# Altium PCB WL_RFFC.PcbDoc (part 1 of 3) (continued)
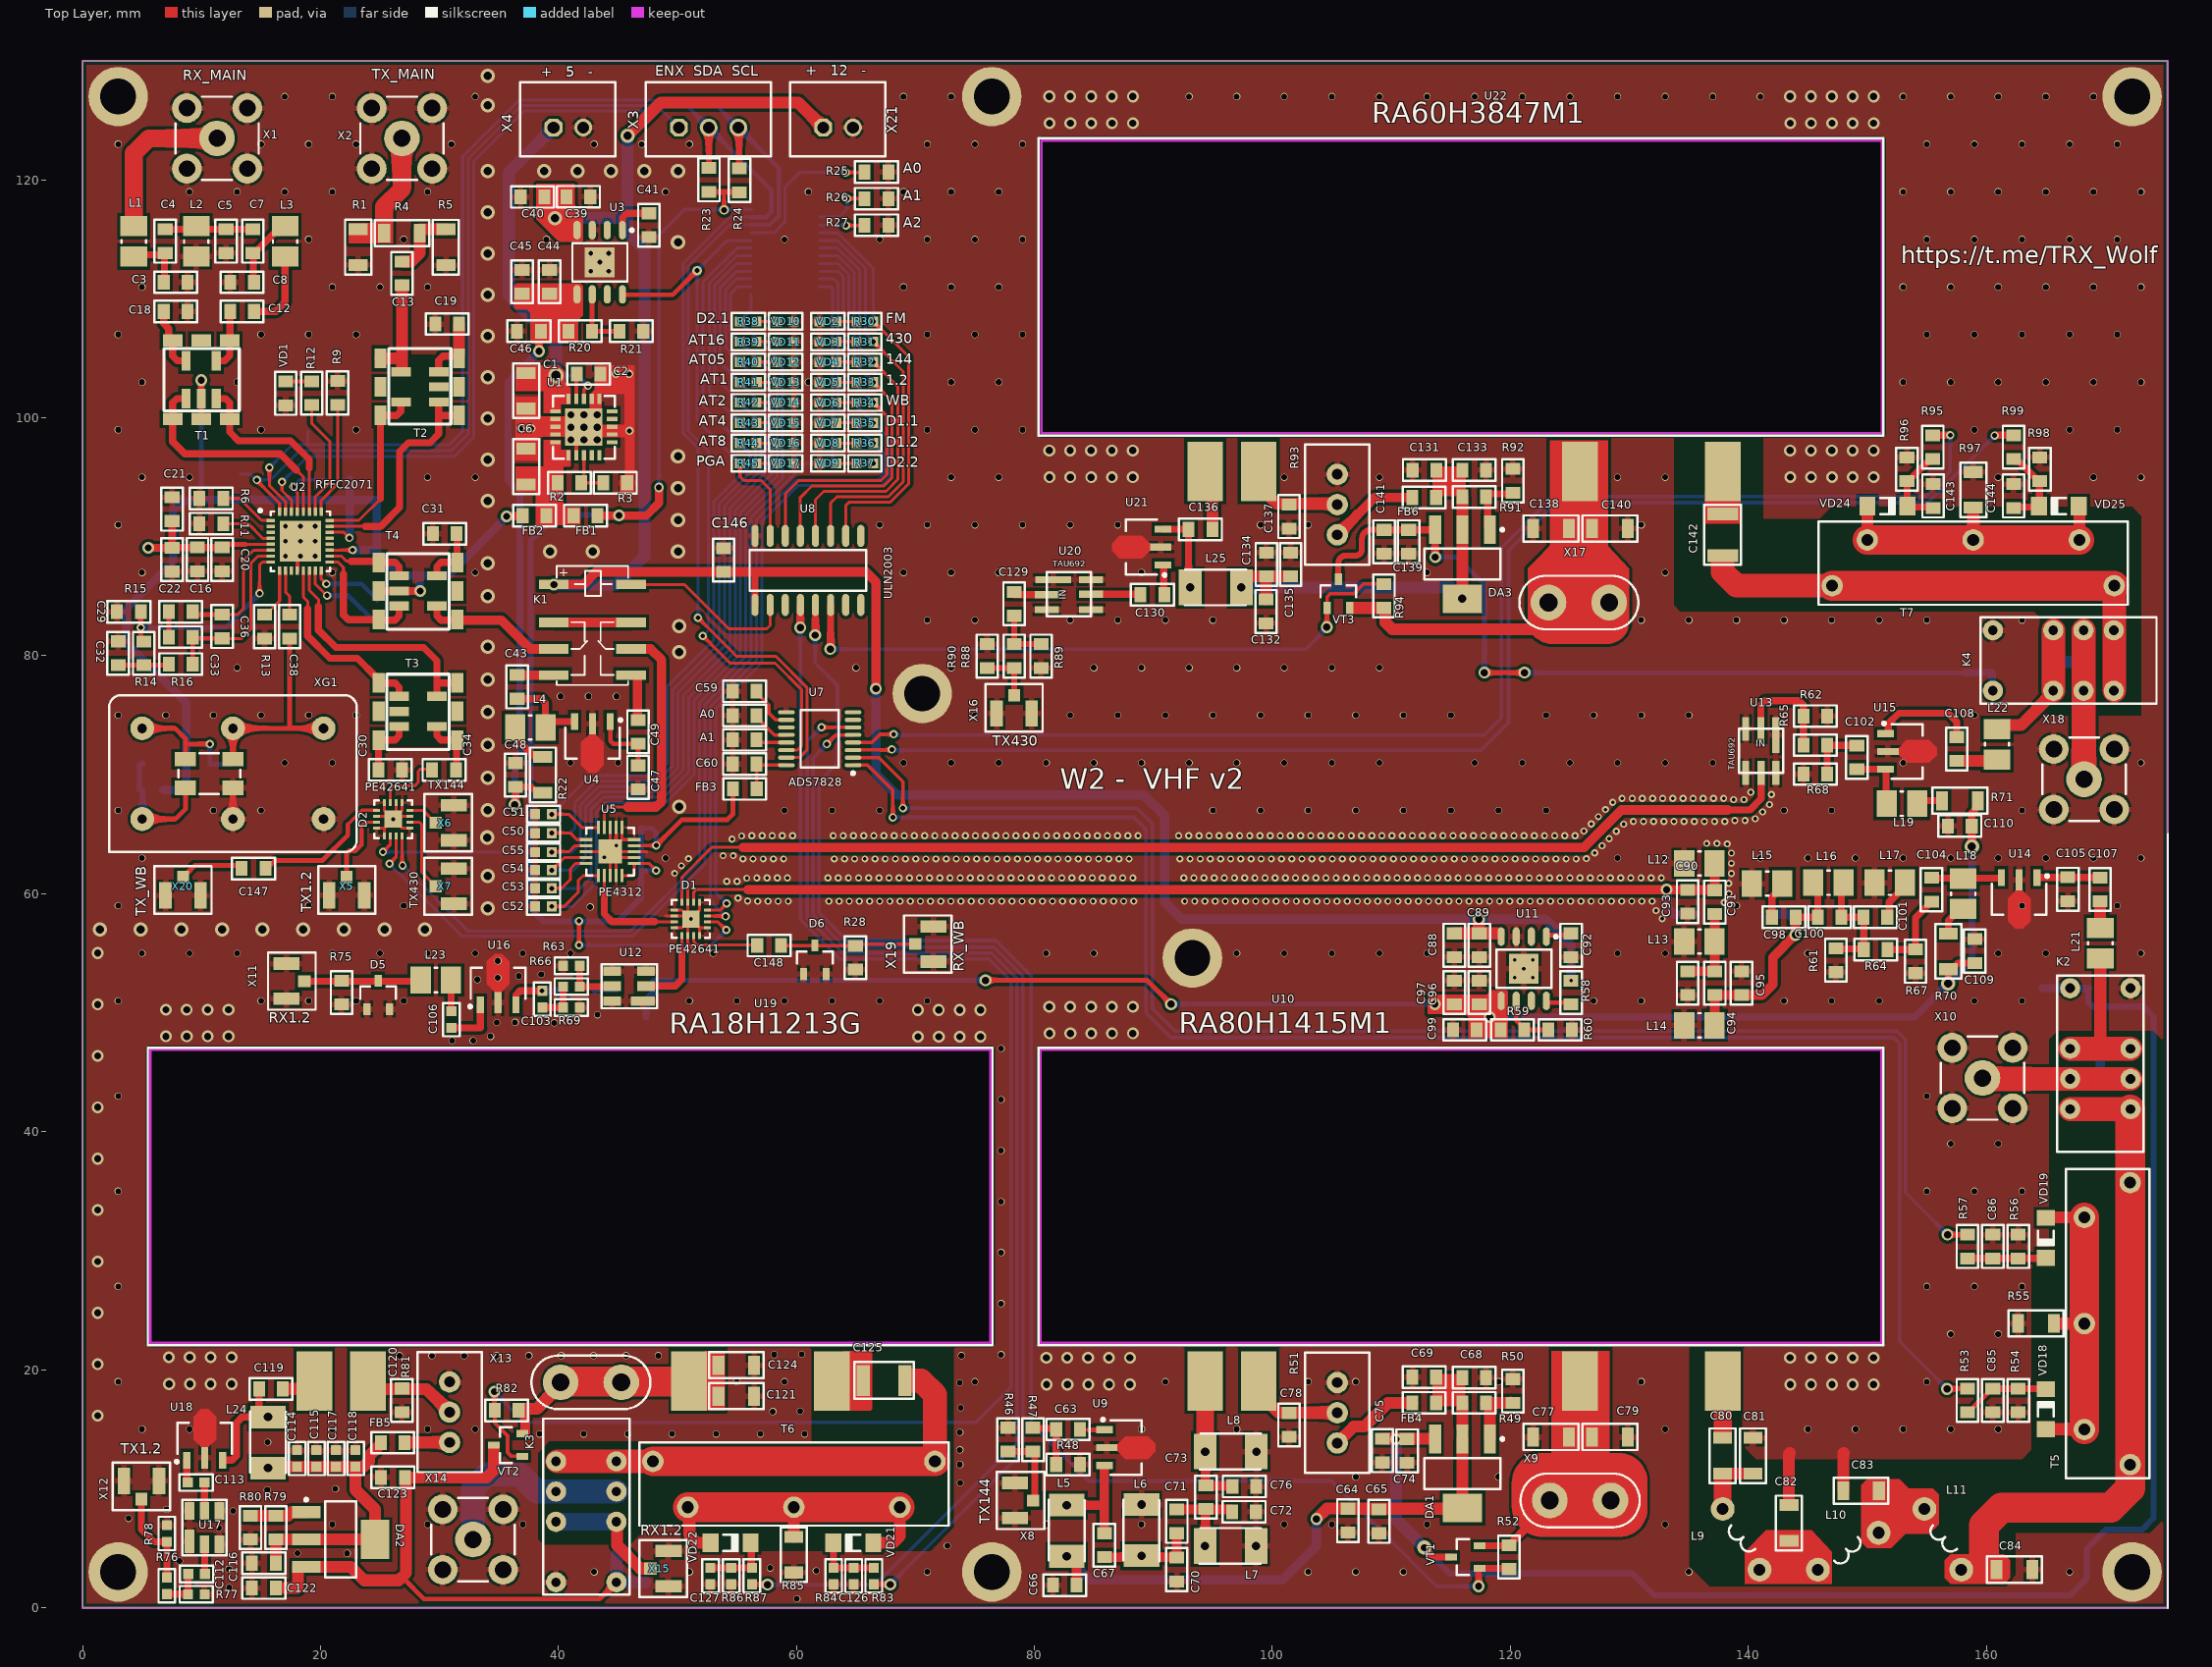
[diagram p0: Top Layer view]
## Components (designator, comment, footprint, x,y, rotation, side; value= is the part's Value field where it differs from the comment) (continued)
C72 "82p" CH0805C 97.623,8.057 r180 top
C73 "20pF" CH0805C 94.415,9.285 r90 top
C74 "1mF" CH0805C 111.317,13.18 r90 top
C75 "0.1" CH0805C 109.239,13.193 r90 top
C76 "82p" CH0805C 97.637,10.191 r180 top
C77 "100n" CH1206C 123.411,14.35 r0 top
C78 "4.7n" CH0805C 101.394,15.359 r90 top
C79 "10mF" CH1206C 128.358,14.35 r180 top
C80 "470p" CH1206C 137.836,12.766 r90 top
C81 "30p" CH1206C 140.391,12.766 r270 top
C82 "36p" CH1206C 143.412,7.114 r270 top
C83 "47p" CH1206C 149.47,9.824 r0 top
C84 "22p" CH1206C 162.364,3.202 r180 top
C85 "100n" CH0805C 160.548,17.412 r90 top
C86 "100n" CH0805C 160.548,30.353 r90 top
C87 "100n" CH0805C 169.582,52.04 r0 bottom
C88 "100n" CH0805C 115.286,55.672 r90 top
C89 "4.7uF" CH0805C 117.387,55.672 r90 top
C90 "82p" CH0805C 134.897,59.331 r90 top
C91 "20p" CH0805C 137.179,59.302 r90 top
C92 "10n" CH0805C 125.098,55.672 r90 top
C93 "82p" CH0805C 134.897,52.486 r90 top
C94 "20p" CH0805C 137.179,52.486 r90 top
C95 "82p" CH0805C 139.431,52.486 r270 top
C96 "10uF" CH0805C 115.286,51.701 r270 top
C97 "100n" CH0805C 117.387,51.701 r270 top
C98 "15p" CH0805C 142.984,58.035 r0 top
C99 "100p" CH0805C 116.176,48.565 r0 top
C100 "110p" CH0805C 146.824,58.035 r0 top
C101 "15p" CH0805C 150.675,58.035 r180 top
C102 "27p" CH0805C 149.121,71.464 r270 top
C103 "15p" CH0603C 38.647,51.148 r90 top
C104 "68p" CH0805C 155.397,60.342 r90 top
C105 "3p" CH0805C 166.847,60.379 r90 top
C106 "15p" CH0603C 30.994,49.427 r90 top
C107 "68p" CH0805C 169.556,60.367 r270 top
C108 "27p" CH0805C 157.513,72.172 r270 top
C109 "4.7n" CH0805C 159.024,55.186 r270 top
C110 "4.7n" CH0805C 157.774,65.694 r0 top
C111 "4.7n" CH0805C 46.367,49.65 r0 bottom
C112 "100p" CH0603C 9.582,2.821 r180 top
C113 "100p" CH0603C 9.556,10.524 r0 top
C114 "1mF" CH0603C 18.029,12.544 r270 top
C115 "100p" CH0603C 19.667,12.544 r90 top
C116 "0.1" CH0805C 15.241,3.739 r0 top
C117 "1n" CH0603C 21.304,12.544 r90 top
C118 "2.2uF" CH0603C 22.941,12.544 r90 top
C119 "100p" CH0805C 15.835,18.382 r180 top
C120 "4.7n" CH0805C 26.844,17.426 r90 top
C121 "100n" CH1206C 54.947,17.779 r180 top
C122 "1mF" CH0805C 15.241,1.646 r0 top
C123 "0.1" CH0805C 26.089,10.951 r0 top
C124 "10mF" CH1206C 54.947,20.378 r180 top
C125 "100p" CH1210C 67.361,19.093 r180 top
C126 "100n" CH0603C 64.812,2.654 r90 top
C127 "100n" CH0603C 52.771,2.654 r270 top
C128 "100n" CH0805C 47.304,3.127 r90 bottom
C129 "100p" CH0805C 78.296,84.362 r270 top
C130 "100p" CH0805C 89.915,85.137 r180 top
C131 "1mF" CH0805C 112.779,95.607 r0 top
C132 "100p" CH0805C 99.47,83.729 r270 top
C133 "0.1" CH0805C 116.963,95.607 r180 top
C134 "1n" CH0805C 99.497,87.674 r90 top
C135 "2.2uF" CH0805C 101.53,87.674 r90 top
C136 "220p" CH0805C 93.954,90.626 r180 top
C137 "4.7n" CH0805C 101.394,91.7 r90 top
C138 "100n" CH1206C 123.411,90.7 r0 top
C139 "1mF" CH0805C 111.454,89.586 r90 top
C140 "10mF" CH1206C 128.358,90.7 r180 top
C141 "0.1" CH0805C 109.392,89.586 r90 top
C142 "470p" CH1210C 137.835,90.168 r90 top
C143 "100n" CH0805C 155.526,93.431 r270 top
C144 "100n" CH0805C 162.289,93.431 r90 top
C145 "100n" CH0805C 160.476,79.562 r90 bottom
C146 "100n" CH0805C 53.875,88.05 r270 top
C147 "100p" CH0805C 14.375,62.125 r180 top
C148 "100p" CH0805C 57.7,55.65 r0 top
D1 "PE42641" "16-QFN (3x3)" 51.121,57.883 r180 top
D2 "PE42641" "16-QFN (3x3)" 26.111,66.265 r90 top
D3 "BAV99" SOT23_132#1 169.59,48.21 r270 bottom
D4 "BAV99" SOT23_132#1 163.898,79.662 r0 bottom
D5 "BAV99" SOT23_132#2 24.847,51.498 r90 top
D6 "BAV99" SOT23_132#2 61.55,54.45 r90 top
DA1 "AMS117-ADJ-5V" SOT223 115.975,11.275 r270 top
DA2 "AMS117-ADJ-5V" SOT223 21.694,5.727 r0 top
DA3 "AMS117-ADJ-5V" SOT223 115.975,87.7 r270 top
FB1 "BLM21PG121SN1D" CH0805L 42.273,91.778 r0 top
FB2 "BLM21PG121SN1D" CH0805L 37.986,91.778 r180 top
FB3 "BLM21PG121SN1D" CH0805L 55.661,68.813 r0 top
FB4 "BLM21" CH0805L 112.76,17.217 r180 top
FB5 "BLM21" CH0805L 26.069,13.865 r0 top
FB6 "BLM21" CH0805L 112.76,93.3 r180 top
K1 "IM06" IM06 42.857,82.525 r270 top
K2 "G6S-2_DUBL" G6S-2_DUBL 167.043,52.037 r270 top
K3 "G6S-2_DUBL" G6S-2_DUBL 44.876,2.166 r90 top
K4 "G6S-2_DUBL" G6S-2_DUBL 160.576,77.066 r0 top
L1 "0.68uH" L1210 4.316,114.83 r270 top
L2 "0.68uH" L1210 9.559,114.83 r90 top
L3 "0.68uH" L1210 17.026,114.83 r270 top
L4 "1uH" L1210 37.636,73.983 r0 top
L5 "1гH" katuhka 85.216,13.968 r270 top value={Value}
L6 "12nH" katuhka 86.496,-0.984 r90 top locked value={Value}
L7 "10nH" katuhka 88.985,7.687 r0 top locked value={Value}
L8 "12nH" katuhka 88.996,15.62 r0 top locked value={Value}
L9 "0.047uH" L-FNC_V3 139.393,5.748 r0 top
L10 "0.047uH" L-FNC_V3 148.395,4.748 r90 top
L11 "0.047uH" L-FNC_V3 156.343,5.748 r0 top
L12 "12nH" L1210 135.887,62.549 r180 top
L13 "10nH" L1210 135.887,55.985 r180 top
L14 "12nH" L1210 135.887,48.945 r180 top
L15 "180nH" L1210 141.573,60.85 r180 top
L16 "22nH" L1210 146.732,60.928 r0 top
L17 "180nH" L1210 151.892,60.928 r0 top
L18 "1uH" L1210 158.056,59.992 r90 top
L19 "1uH" L1210 152.902,67.572 r180 top
L20 "1uH" L1210 41.797,51.859 r180 bottom
L21 "22nH" L1210 169.582,55.85 r90 top
L22 "4.7nH" L1210 160.901,72.56 r270 top
L23 "1nH" L1210 29.699,52.756 r0 top
L24 "1nH" katuhka 18.092,21.381 r270 top value={Value}
L25 "1nH" katuhka 87.742,88.249 r0 top value={Value}
R1 "68" CH1206R 23.171,114.347 r270 top
R2 "0 / 13.2к" CH0805R 40.919,94.536 r180 top
R3 "NOE / 13.3к" CH0805R 44.776,94.536 r180 top
R4 "150" CH1206R 26.85,115.52 r0 top
R5 "68" CH1206R 30.532,114.337 r270 top
R6 "10k" CH0805R 10.824,93.223 r180 top
R7 "10k" CH0805R 25.756,82.525 r0 bottom
R8 "10k" CH0805R 25.738,84.643 r0 bottom
R9 "10k" CH0805R 21.439,102.093 r90 top
R10 "1k" CH0805R 21.464,94.796 r0 bottom
R11 "51k" CH0805R 10.824,91.108 r180 top
R12 "220R" CH0805R 19.269,102.067 r90 top
R13 "10k" CH0805R 15.305,82.454 r270 top
R14 "470R" CH0805R 5.145,80.208 r270 top
R15 "22k" CH0805R 8.258,83.7 r0 top
R16 "470R" CH0805R 8.258,79.309 r0 top
R17 "120R" CH0805R 9.706,70.879 r0 bottom
R18 "470R" CH0805R 5.785,68.735 r180 bottom
R19 "470R" CH0805R 5.784,70.879 r180 bottom
R20 "4.7k" CH0805R 41.831,107.281 r180 top
R21 "1k" CH0805R 46.129,107.281 r180 top
R22 "33+33" CH1206R 38.688,69.986 r270 top
R23 "10k" CH0805R 52.648,120.002 r90 top
R24 "10k" CH0805R 55.21,119.954 r90 top
R25 "NOE" CH0805R 66.731,120.663 r180 top
R26 "NOE" CH0805R 66.731,118.419 r180 top
R27 "NOE" CH0805R 66.731,116.191 r180 top
R28 "10k" CH0805R 64.95,54.625 r90 top
R30 "1k" CH0603R 65.759,108.101 r180 top
R31 "1k" CH0603R 65.759,106.397 r180 top
R32 "1k" CH0603R 65.759,104.692 r180 top
R33 "1k" CH0603R 65.759,102.988 r180 top
R34 "1k" CH0603R 65.759,101.283 r180 top
R35 "1k" CH0603R 65.759,99.579 r180 top
R36 "1k" CH0603R 65.759,97.874 r180 top
R37 "1k" CH0603R 65.759,96.175 r180 top
R38 "1k" CH0603R 55.95,108.101 r0 top
R39 "1k" CH0603R 55.95,106.397 r0 top
R40 "1k" CH0603R 55.95,104.692 r0 top
R41 "1k" CH0603R 55.959,102.988 r0 top
R42 "1k" CH0603R 55.95,101.288 r0 top
R43 "1k" CH0603R 55.95,99.583 r0 top
R44 "1k" CH0603R 55.95,97.879 r0 top
R45 "1k" CH0603R 55.95,96.175 r0 top
R46 "300" CH0805R 77.787,14.127 r270 top
R47 "18" CH0805R 79.883,14.127 r270 top
R48 "300" CH0805R 82.827,12.038 r180 top
R49 "100" CH0805R 116.963,17.217 r180 top
R50 "300" CH0805R 120.211,18.208 r270 top
R51 "10K" "RES: 3296W" 105.453,13.84 r90 top
R52 "10k" CH0805R 119.881,4.248 r90 top
R53 "4.7k" CH0805R 158.414,17.412 r90 top
R54 "5.1k" CH0805R 162.683,17.412 r90 top
R55 "51" CH1206R 164.168,23.89 r0 top
R56 "5.1k" CH0805R 162.683,30.353 r90 top
R57 "4.7k" CH0805R 158.414,30.353 r90 top
R58 "10k" CH0805R 125.098,51.701 r90 top
R59 "4.7k" CH0805R 120.174,48.565 r180 top
R60 "1k" CH0805R 124.172,48.565 r180 top
R61 "300" CH0805R 147.353,54.412 r270 top
R62 "300" CH0805R 145.629,74.93 r0 top
R63 "300" CH0603R 41.087,53.941 r180 top
R64 "18" CH0805R 150.693,55.312 r180 top
R65 "18" CH0805R 145.629,72.494 r180 top
R66 "18" CH0603R 41.087,52.196 r0 top
R67 "300" CH0805R 154.047,54.327 r270 top
R68 "300" CH0805R 145.629,70.058 r180 top
R69 "300" CH0603R 41.087,50.451 r0 top
R70 "33+33" CH1206R 156.807,55.162 r270 top
R71 "33+33" CH1206R 157.78,67.825 r0 top
R72 "33+33" CH1206R 46.367,51.996 r0 bottom
R73 "10k" CH0805R 169.595,44.314 r90 bottom
R74 "10k" CH0805R 168.656,79.481 r180 bottom
R75 "10k" CH0805R 21.773,51.704 r90 top
R76 "18" CH0603R 7.092,1.843 r90 top
R77 "300" CH0603R 9.568,1.124 r180 top
R78 "300" CH0603R 7.092,6.236 r270 top
R79 "100" CH0805R 16.253,6.732 r270 top
R80 "300" CH0805R 14.116,6.732 r90 top
R81 "10K" "RES: 3296W" 30.847,13.891 r90 top
R82 "10k" CH0805R 35.651,16.578 r0 top
R83 "4.7k" CH0603R 66.503,2.654 r270 top
R84 "5.1k" CH0603R 63.121,2.654 r90 top
R85 "51" CH1206R 59.778,4.459 r90 top
R86 "5.1k" CH0603R 54.517,2.654 r270 top
R87 "4.7k" CH0603R 56.264,2.654 r270 top
R88 "18" CH0805R 78.297,79.975 r270 top
R89 "300" CH0805R 80.564,79.975 r90 top
R90 "300" CH0805R 76.031,79.975 r270 top
R91 "100" CH0805R 116.956,93.353 r180 top
R92 "300" CH0805R 120.211,94.707 r270 top
R93 "10K" "RES: 3296W" 105.453,90.169 r90 top
R94 "10k" CH0805R 109.375,85.025 r270 top
R95 "4.7k" CH0805R 155.499,97.535 r90 top
R96 "5.1k" CH0805R 153.327,95.682 r270 top
R97 "51" CH1206R 158.909,93.951 r270 top
R98 "5.1k" CH0805R 164.498,95.682 r90 top
R99 "4.7k" CH0805R 162.289,97.535 r90 top
T1 "RFXF8553" TC4-1-ADT4-6 9.996,103.202 r180 top
T2 "RFXF9503" TC4-1/RFXF8553 28.35,102.6 r90 top
T3 "RFXF9503" TC4-1/RFXF8553 28.199,75.32 r270 top
T4 "RFXF8553" TC4-1-ADT4-6 28.199,85.43 r90 top
T5 "" SWR_D#1 170.763,23.5 r0 top
T6 "" SWR_D#1 60.163,10.971 r90 top
T7 "" SWR_D#2 158.521,87.216 r270 top
U1 "TPS7A4700" "20-VQFN (5x5 mm)" 39.25,96.35 r90 top
U2 "RFFC2071" "32-VQFN (5x5 mm)" 18.313,89.628 r0 top
U3 "LP3878MRX" "8-SOIC (PAD)"#1 43.469,113.076 r270 top
U4 "PGA-103+" SOT89_123 42.857,72.68 r270 top
U5 "PE4312" "20-QFN (4x4)" 44.35,63.55 r90 top
U6 "PCF8575DB" 24-TSSOP_045 59.083,113.941 r180 bottom
U7 "ADS7828" 16-SSOP 61.954,73.03 r180 top
U8 "ULN2003" 16-SOIC 60.963,87.153 r270 top
U9 "YG602020" SOT89_123 87.679,13.451 r0 top
U10 "RA80H1415M1" "RA80H1415M1 - DUPLICATE" 80.35,22.05 r0 top locked
U11 "LP3878MRX" "8-SOIC (PAD)"#2 121.125,53.7 r270 top
U12 "TA0536A" MA08803 45.935,52.231 r90 top
U13 "TAU 692 433MHz" TAU692 141.038,72.009 r180 top
U14 "PGA-103+" SOT89_123 162.757,59.567 r270 top
U15 "PGA-103+" SOT89_123 153.327,71.961 r0 top
U16 "PGA-103+" SOT89_123 34.931,52.451 r90 top
U17 "TA0536A" MA08803 10.253,6.732 r0 top
U18 "YG602020" SOT89_123 10.275,14.2 r90 top
U19 "RA18H1213G" "RA80H1415M1 - duplicate" 5.484,22.05 r0 top locked
U20 "TAU 692 433MHz" TAU692 82.902,85.137 r270 top
U21 "YG602020" SOT89_123 89.015,89.137 r180 top
U22 "RA60H3847M1" "RA80H1415M1 - duplicate" 80.35,98.5 r0 top locked
VD1 "" CH0805LB 17.078,102.055 r270 top
VD2 "" CH0603LB 62.641,108.101 r180 top
VD3 "" CH0603LB 62.641,106.397 r180 top
VD4 "" CH0603LB 62.641,104.692 r180 top
VD5 "" CH0603LB 62.641,102.988 r180 top
VD6 "" CH0603LB 62.641,101.283 r180 top
VD7 "" CH0603LB 62.641,99.579 r180 top
VD8 "" CH0603LB 62.641,97.874 r180 top
VD9 "" CH0603LB 62.646,96.175 r180 top
VD10 "" CH0603LB 59.083,108.101 r0 top
VD11 "" CH0603LB 59.083,106.397 r0 top
VD12 "" CH0603LB 59.083,104.692 r0 top
VD13 "" CH0603LB 59.083,102.988 r0 top
VD14 "" CH0603LB 59.083,101.288 r0 top
VD15 "" CH0603LB 59.083,99.583 r0 top
VD16 "" CH0603LB 59.083,97.879 r0 top
VD17 "" CH0603LB 59.083,96.175 r0 top
VD18 "BAT62-03W" 1N4148 165.001,16.692 r90 top
VD19 "BAT62-03W" 1N4148 165.001,31.083 r270 top
VD20 "" 1N4148 164.68,50.415 r90 bottom
VD21 "BAT62-03W" 1N4148 64.781,5.451 r180 top
VD22 "BAT62-03W" 1N4148 54.467,5.451 r0 top
VD23 "" 1N4148 43.236,4.557 r0 bottom
VD24 "BAT62-03W" 1N4148 151.676,92.588 r0 top
VD25 "BAT62-03W" 1N4148 166.103,92.588 r180 top
VD26 "" 1N4148 158.26,80.248 r270 bottom
VT1 "" SOT23_132#2 116.21,4.248 r180 top
VT2 "" SOT23_132#2 35.769,13.67 r180 top
VT3 "" SOT23_132#2 105.547,85.221 r90 top
X1 "RX_MAIN" "CON: SMA" 11.308,123.487 r270 top
X2 "TX_MAIN" "CON: SMA" 26.85,123.487 r270 top
X3 "I2C" "CON: CWF-3" 52.625,124.399 r0 top
X4 "Power +5" "CON: CWF-2" 40.836,124.399 r0 top
X5 "TX1.2" "CON: u.Fl" 22.205,60.633 r180 top
X6 "TX430" "CON: u.Fl" 30.449,65.971 r270 top
X7 "TX144" "CON: u.Fl" 30.449,60.633 r270 top
X8 "TX144" "CON: u.Fl" 79.132,9.003 r90 top
X9 "POWER 13.8" "CON: KNIFE_5MM" 125.866,9.017 r0 top
X10 "SMA" "CON: SMA" 159.675,44.516 r0 top
X11 "RX1.2" "CON: u.Fl" 17.893,52.652 r90 top
X12 "TX1.2" "CON: u.Fl" 4.952,9.892 r0 top
X13 "POWER 13.8" "CON: KNIFE_5MM" 42.729,18.939 r0 top
X14 "SMA" "CON: SMA" 32.814,5.727 r0 top
X15 "RX1.2" "CON: u.Fl" 48.488,3.285 r270 top
X16 "TX430" "CON: u.Fl" 78.296,75.914 r180 top
X17 "POWER 13.8" "CON: KNIFE_5MM" 125.753,84.477 r180 top
X18 "SMA" "CON: SMA" 168.211,69.624 r0 top
X19 "RX_WB" "CON: u.Fl" 70.75,55.775 r270 top
X20 "TX_WB" "CON: u.Fl" 8.45,60.625 r180 top
X21 "Power +12" "CON: CWF-2" 63.5,124.399 r0 top
XG1 "TCXO 3.3v TTL/CMOS" TCXO 5.023,73.902 r0 top
Z1 "PAW-145M2" PAV 138.721,58.286 r90 bottom

## Footprints (in the part's own frame and the unit in brackets; to place one, negate y for a bottom-side part, rotate by r counter-clockwise, add the part's x,y. Pads: shape width x height; smd on the part's side, far side on the other; paste and mask are expansions set on the pad)
1N4148 [mm] "MELF Diode, 2-Leads, Body 3,60x1,30mm, IPC Medium Density"
  rect 1.35x1.55 smd: 1(-1.675,0) 2(1.675,0)
  silkscreen extent -0.6,-0.67 0.6,0.68, body extent -1.7,-0.7 1.7,0.7, height 1.36
"8-SOIC (PAD)"#1 [mm]
  rrect100% 1.55x0.6 smd: 1(-2.7,1.905) 2(-2.7,0.635) 3(-2.7,-0.635) 4(-2.7,-1.905) 5(2.7,-1.905) 6(2.7,-0.635) 7(2.7,0.635) 8(2.7,1.905)
  round 0.7 hole 0.4: 9(-0.75,0.75) 9(-0.75,-0.75) 9(0,0) 9(0.75,0.75) 9(0.75,-0.75)
  rect 2.5x2.5 smd: 9(0,0)
  round 0.7 on Mech1: 28(-2.395,1.8)
  silkscreen extent -2.82,-2.3 1.61,2.83, body extent -3,-2.45 3,2.45, height 1.75
"8-SOIC (PAD)"#2 [mm]
  rrect100% 1.55x0.6 smd: 1(-2.7,1.905) 2(-2.7,0.635) 3(-2.7,-0.635) 4(-2.7,-1.905) 5(2.7,-1.905) 6(2.7,-0.635) 7(2.7,0.635) 8(2.7,1.905)
  round 0.7 hole 0.3: 9(-0.75,0.75) 9(-0.75,-0.75) 9(0,0) 9(0.75,0.75) 9(0.75,-0.75)
  rect 2.5x2.5 smd: 9(0,0)
  round 0.7 on Mech1: 28(-2.395,1.8)
  silkscreen extent -2.82,-2.3 1.61,2.83, body extent -3,-2.45 3,2.45, height 1.75
"16-QFN (3x3)" [mm] "QFN, 16-Leads, Body 3,00x3,00mm, Pitch 0,50mm, Thermal Pad 1,45x1,45mm, IPC Medium Density"
  rect 0.6x0.25 smd: 1(-1.4,0.75) 2(-1.4,0.25) 3(-1.4,-0.25) 4(-1.4,-0.75) 9(1.4,-0.75) 10(1.4,-0.25) 11(1.4,0.25) 12(1.4,0.75)
  rect 0.25x0.6 smd: 5(-0.75,-1.4) 6(-0.25,-1.4) 7(0.25,-1.4) 8(0.75,-1.4) 13(0.75,1.4) 14(0.25,1.4) 15(-0.25,1.4) 16(-0.75,1.4)
  rect 1.45x1.45 smd: 17(0,0)
  round 0.7 hole 0.3: 17(0,0)
  round 0.35 on Top Overlay: ""(-2,1.4)
  round 0.5 on Mech1: ""(-1.1,1.1)
  silkscreen extent -1.6,-1.6 1.6,1.6, body extent -1.5,-1.5 1.5,1.5, height 0.9
16-SOIC [mm]
  oval 1.85x0.6 smd: 1(-2.925,4.448) 2(-2.925,3.178) 3(-2.925,1.908) 4(-2.925,0.638) 5(-2.925,-0.632) 6(-2.925,-1.902) 7(-2.925,-3.172) 8(-2.925,-4.442) 9(2.875,-4.442) 10(2.875,-3.172) 11(2.875,-1.902) 12(2.875,-0.632) 13(2.875,0.638) 14(2.875,1.908) 15(2.875,3.178) 16(2.875,4.448)
  round 0.7 on Top Overlay: 10(-2.9,5.4)
  round 0.7 on Mech1: 25(-2.5,4.3)
  silkscreen extent -1.75,-4.9 1.7,4.9, body extent -3.09,-5.01 3.04,4.96, height 1.73
16-SSOP [mm] "SOP, 16-Leads, Body 4,90x3,91mm, Pitch 0,64mm, IPC Medium Density"
  oval 1.4x0.35 smd: 1(-2.8,2.222) 2(-2.8,1.587) 3(-2.8,0.952) 4(-2.8,0.317) 5(-2.8,-0.318) 6(-2.8,-0.953) 7(-2.8,-1.588) 8(-2.8,-2.223) 9(2.8,-2.222) 10(2.8,-1.587) 11(2.8,-0.952) 12(2.8,-0.317) 13(2.8,0.318) 14(2.8,0.953) 15(2.8,1.588) 16(2.8,2.223)
  round 0.5 on Mech1: ""(-2.6,2)
  silkscreen extent -2.93,-2.4 1.6,3.02, body extent -3.13,-2.5 3.13,2.5, height 1.73
"20-QFN (4x4)" [mm]
  round 0.4 on Top Overlay: 0(-2.5,1.8)
  rect 1.1x0.25 smd: 1(-2.025,1) 2(-2.025,0.5) 3(-2.025,0) 4(-2.025,-0.5) 5(-2.025,-1) 11(2.025,-1) 12(2.025,-0.5) 13(2.025,0) 14(2.025,0.5) 15(2.025,1)
  rect 0.25x1.1 smd: 6(-1,-2.025) 7(-0.5,-2.025) 8(0,-2.025) 9(0.5,-2.025) 10(1,-2.025) 16(1,2.025) 17(0.5,2.025) 18(0,2.025) 19(-0.5,2.025) 20(-1,2.025)
  round 0.7 hole 0.3: 21(-0.5,0.5) 21(0.5,-0.5)
  rect 2x2 smd: 21(0,0)
  round 0.5 on Mech1: 23(-1.5,1.5)
  silkscreen extent -2,-2 2,2, body extent -2.02,-2.01 2,2.01, height 0.78
"20-VQFN (5x5 mm)" [mm]
  rect 0.9x0.35 smd: 1(0.5,-1.6) 2(0.5,-2.25) 3(0.5,-2.9) 4(0.5,-3.55) 5(0.5,-4.2) 11(5.25,-4.2) 12(5.25,-3.55) 13(5.25,-2.9) 14(5.25,-2.25) 15(5.25,-1.6)
  rect 0.35x0.9 smd: 6(1.6,-5.25) 7(2.25,-5.25) 8(2.9,-5.25) 9(3.55,-5.25) 10(4.2,-5.25) 16(4.2,-0.5) 17(3.55,-0.5) 18(2.9,-0.5) 19(2.25,-0.5) 20(1.6,-0.5)
  round 0.5 on Mech1: 21(0.7,-0.7)
  round 0.7 hole 0.6: 21(1.8,-2.9) 21(1.8,-1.8) 21(1.8,-4) 21(2.85,-2.9) 21(2.85,-1.8) 21(2.85,-4) 21(3.9,-4) 21(3.9,-2.9) 21(3.9,-1.8)
  rect 3.15x3.15 smd: 21(2.875,-2.875)
  round 0.5 on Top Overlay: 22(-0.2,0.2)
  silkscreen extent 0.2,-5.5 5.5,-0.3, body extent 0.28,-5.53 5.53,-0.27, height 1
24-TSSOP_045 [mm]
  rrect100% 1.4x0.45 smd: 1(-2.9,3.575)
  oval 1.4x0.45 smd: 2(-2.9,2.925) 3(-2.9,2.275) 4(-2.9,1.625) 5(-2.9,0.975) 6(-2.9,0.325) 7(-2.9,-0.325) 8(-2.9,-0.975) 9(-2.9,-1.625) 10(-2.9,-2.275) 11(-2.9,-2.925) 12(-2.9,-3.575) 13(2.9,-3.575) 14(2.9,-2.925) 15(2.9,-2.275) 16(2.9,-1.625) 17(2.9,-0.975) 18(2.9,-0.325) 19(2.9,0.325) 20(2.9,0.975) 21(2.9,1.625) 22(2.9,2.275) 23(2.9,2.925) 24(2.9,3.575)
  round 0.5 on Mech2: ""(-2.7,3.4)
  silkscreen extent -2.95,-3.8 1.5,4.37
"32-VQFN (5x5 mm)" [mm] "QFN, 32-Leads, Body 5x5mm, Pitch 0.5mm, Thermal Pad 3.45x3.45mm, TI Recommended"
  rect 0.7x0.28 smd paste-0.025 mask+0.07: 1(-2.475,1.75) 2(-2.475,1.25) 3(-2.475,0.75) 4(-2.475,0.25) 5(-2.475,-0.25) 6(-2.475,-0.75) 7(-2.475,-1.25) 8(-2.475,-1.75) 17(2.475,-1.75) 18(2.475,-1.25) 19(2.475,-0.75) 20(2.475,-0.25) 21(2.475,0.25) 22(2.475,0.75) 23(2.475,1.25) 24(2.475,1.75)
  rect 0.28x0.7 smd paste-0.025 mask+0.07: 9(-1.75,-2.475) 10(-1.25,-2.475) 11(-0.75,-2.475) 12(-0.25,-2.475) 13(0.25,-2.475) 14(0.75,-2.475) 15(1.25,-2.475) 16(1.75,-2.475) 25(1.75,2.475) 26(1.25,2.475) 27(0.75,2.475) 28(0.25,2.475) 29(-0.25,2.475) 30(-0.75,2.475) 31(-1.25,2.475) 32(-1.75,2.475)
  round 0.5 on Mech1: 24(-2,2)
  round 0.7 hole 0.4: 33(-1.25,-1.25) 33(-1.25,0) 33(-1.25,1.25) 33(0,-1.25) 33(0,0) 33(0,1.25) 33(1.25,-1.25) 33(1.25,0) 33(1.25,1.25)
  rect 3.45x3.45 smd paste-1.725 mask+0.07: 33(0,0)
  silkscreen extent -3.5,-2.5 2.5,2.7, body extent -2.52,-2.51 2.5,2.51, height 0.8
CH0603C [mm] "Chip Capacitor, 2-Leads, Body 1,53x0,85mm, IPC Medium Density"
  rect 0.85x0.85 smd: 1(-0.7,0) 2(0.7,0)
  silkscreen extent -1.4,-0.7 1.4,0.7, body extent -0.8,-0.4 0.8,0.4, height 0.3
CH0603LB [mm] "Chip Capacitor, 2-Leads, Body 1,53x0,85mm, IPC Medium Density"
  rect 0.85x0.85 smd: 1(-0.7,0) 2(0.7,0)
  silkscreen extent -1.4,-0.7 1.4,0.7, body extent -0.8,-0.4 0.8,0.4, height 0.6
CH0603R [mm]
  rect 0.85x0.85 smd: 1(-0.7,0) 2(0.7,0)
  silkscreen extent -1.4,-0.7 1.4,0.7, body extent -0.8,-0.4 0.8,0.4, height 0.44
CH0805C [mm] "Chip Capacitor, 2-Leads, Body 2,00x1,20mm, IPC Medium Density"
  rect 1x1.25 smd: 1(-1,0) 2(1,0)
  silkscreen extent -1.8,-0.9 1.8,0.9, body extent -1,-0.62 1,0.63, height 0.78
CH0805L [mm]
  rect 1x1.25 smd: 1(-1,0) 2(1,0)
  silkscreen extent -1.8,-0.9 1.8,0.9, body extent -1,-0.62 1,0.63, height 0.85
CH0805LB [mm]
  rect 1x1.25 smd: 1(-1,0) 2(1,0)
  silkscreen extent -1.8,-0.9 1.8,0.9, body extent -1.05,-0.67 1.05,0.68, height 0.8
CH0805R [mm]
  rect 1x1.25 smd: 1(-1,0) 2(1,0)
  silkscreen extent -1.8,-0.9 1.8,0.9, body extent -1,-0.6 1,0.6, height 0.44
CH1206C [mm] "Non polar chip capacitor, size 1206"
  rect 1x1.6 smd: 1(-1.5,0) 2(1.5,0)
  silkscreen extent -2.3,-1.1 2.3,1.1, body extent -1.6,-0.8 1.6,0.8, height 1
CH1206R [mm] "Chip Resistor, 2-Leads, Body 3,0x1,5mm, IPC Low Density"
  rect 1x1.6 smd: 1(-1.5,0) 2(1.5,0)
  silkscreen extent -2.3,-1.1 2.3,1.1, body extent -1.65,-0.8 1.55,0.8, height 0.47
CH1210C [mm] "Non polar chip capacitor, size 1210"
  rect 1.1x2.6 smd: 1(-1.75,0) 2(1.75,0)
  silkscreen extent -2.5,-1.55 2.5,1.55, body extent -2,-1.24 2,1.24, height 1.7
"CON: CWF-2" [mm]
  oct 1.5x1.5 hole 1: 1(-1.25,0)
  round 1.5 hole 1: 2(1.25,0)
  round 0.5 on Mech1: 23(-3.2,-1.7)
  round 0.5 on Top Overlay: 24(-4.5,-2.1)
  silkscreen extent -4.04,-2.41 3.96,3.81, body extent -3.75,-2.18 3.75,3.57, height 7
"CON: CWF-3" [mm]
  oct 1.5x1.5 hole 1: 1(-2.5,0)
  round 1.5 hole 1: 2(0,0) 3(2.5,0)
  round 0.5 on Mech1: 28(-4.5,-1.7)
  silkscreen extent -5.29,-2.41 5.25,3.81, body extent -5,-2.2 5,3.55, height 7
"CON: KNIFE_5MM" [mm]
  round 3 hole 1.5: 1(-2.55,0) 1(2.55,0)
  silkscreen extent -5,-2.25 5,2.25, body extent -3.97,-0.37 3.93,0.43, height 10.2
"CON: SMA" [mm]
  round 3 hole 1.45: 1(0,0)
  round 2.5 hole 1.4: 2(-2.54,2.54) 2(-2.54,-2.54) 2(2.54,2.54) 2(2.54,-2.54)
  silkscreen extent -3.5,-3.5 3.5,3.5, body extent -3.5,-3.5 3.5,3.5, height 9.53
"CON: u.Fl" [mm]
  rect 1x1.05 smd: 1(0,-0.763)
  rect 1.05x2.2 smd: 2(-1.475,0.763) 2(1.475,0.763)
  silkscreen extent -2.4,-1.7 2.4,2.3, body extent -1.5,-0.95 1.5,1.9, height 1.27
G6S-2_DUBL [mm]
  round 1.7 hole 0.8: 1(-0.025,5.08) 3(5.055,5.08) 3(5.055,0) 4(7.595,5.08) 4(7.595,0) 5(10.135,5.08) 5(10.135,0) 12(-0.025,0)
  silkscreen extent -1.08,-1.1 13.72,6.17, body extent -1.17,-1.13 13.63,6.17, height 8.55
IM06 [mm]
  rect 0.8x2.5 smd: 1(-3.475,-3.25) 2(-0.275,-3.25) 3(1.95,-3.25) 4(4.15,-3.25) 5(4.15,3.25) 6(1.95,3.25) 7(-0.275,3.25) 8(-3.475,3.25)
  silkscreen extent -5.02,-3 4.98,3, body extent -4.68,-3.72 5.32,3.78, height 5.7
katuhka [mm]
  rect 1.9x3 smd: 1(5.35,-2.5) 2(9.65,-2.5)
  silkscreen extent 4.9,-4 10.05,-1, body extent 5.78,-6.03 9.06,0.25, height 5.8
L1210 [mm]
  rect 1.7x2.24 smd: 1(-1.275,0) 2(1.275,0)
  silkscreen extent -0.1,-1.02 0.1,1.02, body extent -1.62,-1.25 1.58,1.25, height 1.9
L-FNC_V3 [mm]
  round 2 hole 1: 1(-1.55,2.55) 2(1.55,-2.55)
  silkscreen extent -1.03,-1.03 1.18,1.18, body extent -1.85,-2.85 1.95,2.95, height 5.9
MA08803 [mm]
  rect 0.8x2 smd: 1(-1.261,-1.164)
  rect 0.8x1.5 smd: 2(0,-1.414) 3(1.261,-1.414) 4(1.261,1.413) 5(0,1.414) 6(-1.261,1.413)
  silkscreen extent -1.85,-2.35 1.85,2.32
PAV [mm]
  rect 1x1.3 smd: 1(-2.54,3.15) 2(0,3.15) 3(2.54,3.15) 6(2.54,-3.15) 7(0,-3.15) 8(-2.54,-3.15)
  rect 1.3x1 smd: 4(4.275,1.27) 5(4.275,-1.27) 9(-4.275,-1.27) 10(-4.275,1.27)
  silkscreen extent -4.55,-3.53 4.55,3.57, body extent -4.55,-3.52 4.55,3.58, height 1.6
"RA80H1415M1 - DUPLICATE" [mm]
  rect 3x5 smd: 1(14,-3) 2(18.5,-3) 3(45.5,-3) 4(57.5,-3)
  silkscreen extent 0,0 71,25
"RA80H1415M1 - duplicate" [mm]
  rect 3x5 smd: 1(14,-3) 2(18.5,-3) 3(45.5,-3) 4(57.5,-3)
  silkscreen extent 0,0 71,25
"RES: 3296W" [mm]
  round 1.8 hole 0.9: 1(0,0) 2(2.54,0) 3(5.08,0)
  round 0.5 on Top Overlay: 4(-3,2.5)
  silkscreen extent -2.5,-2.7 7.6,2.7, body extent -2.22,-2.4 7.31,2.4, height 11.55
SOT23_132#1 [mm] "SOT23, 3-Leads, Body 3,0x2,6mm (max), Pitch 0,95mm, IPC Medium Density"
  rect 1x0.6 smd: 1(-1.2,0.95) 2(-1.2,-0.95) 3(1.2,0)
  round 0.5 on Mech2: ""(-0.9,1.1)
  silkscreen extent -0.3,-1.5 0.7,1.5, body extent -1.32,-1.52 1.32,1.52, height 1.12
SOT23_132#2 [mm] "SOT23, 3-Leads, Body 3,0x2,6mm (max), Pitch 0,95mm, IPC Medium Density"
  rect 1x0.6 smd: 1(-1.2,0.95) 2(-1.2,-0.95) 3(1.2,0)
  round 0.5 on Mech1: ""(-0.9,1.1)
  silkscreen extent -0.3,-1.5 0.7,1.5, body extent -1.32,-1.52 1.32,1.52, height 1.12
SOT89_123 [mm] "SOT89, 3-Leads, Body 4,50x2,45mm, Pitch 1,50mm, Lead Span 4,1mm, IPC Medium Density"
  rect 1.4x0.6 smd: 1(-1.8,1.5) 3(-1.8,-1.5)
  rect 1.8x0.6 smd: 2(-1.6,0)
  round 0.5 on Mech1: ""(-1.8,1.8)
  Top Layer region: -0.8,0.2 -0.05,0.95 1.85,0.95 2.5,0.3 2.5,-0.3 1.85,-0.95 -0.05,-0.95 -0.8,-0.2
  silkscreen extent -2.05,-2.3 1.32,2.48, body extent -2.3,-2.25 2,2.25, height 1.51
SOT223 [mm] "SOT223, 4-Leads, Body 6,50x7,00mm (avg), Pitch 2,30mm, IPC Medium Density"
  rect 2.4x1 smd: 1(-2.9,2.3) 2(-2.9,0) 3(-2.9,-2.3)
  rect 2.4x3.3 smd: 4(2.9,0)
  round 0.5 on Mech1: ""(-3,2.7)
  silkscreen extent -3.02,-3.2 1.3,3.48, body extent -3.48,-3.25 3.48,3.25, height 1.65
SWR_D#1 [mm]
  round 1.8 hole 1: 1(1.325,-11.475) 2(-2.525,-8.525) 3(-2.525,0.375) 4(-2.525,9.3) 5(1.325,12.225)
  round 0.5 on Top Overlay: ""(2.525,-12.225)
  Top Layer lines w2.5: -2.525,-8.525 -2.525,9.3 ; 1.325,-11.475 1.325,12.225
  silkscreen extent -4.07,-12.62 2.93,13.37
SWR_D#2 [mm]
  round 1.8 hole 1: 1(1.325,-11.475) 2(-2.525,-8.525) 3(-2.525,0.375) 4(-2.525,9.3) 5(1.325,12.225)
  round 0.5 on Top Overlay: ""(2.525,-12.225)
  Top Layer lines w2.5: 1.325,-11.475 1.325,12.225 ; -2.525,-8.525 -2.525,0.375 -2.525,9.3
  silkscreen extent -4.07,-12.62 2.93,13.37
TAU692 [mm]
  rect 0.6x3 smd: 1(-1.26,-1.324)
  rect 0.6x2 smd: 2(-0.004,-1.849) 3(1.261,-1.851) 4(1.261,1.851) 5(-0.035,1.851) 6(-1.261,1.851)
  silkscreen extent -1.89,-1.85 1.81,1.85
TC4-1-ADT4-6 [mm]
  rect 1.65x1 smd: 1(-2.375,3.3) 2(0.025,3.3) 3(2.425,3.3) 4(2.425,-3.3) 5(0.025,-3.3) 6(-2.375,-3.3)
  rect 0.76x1.65 smd: 1(-1.245,1.59) 2(0.025,1.59) 3(1.295,1.59) 4(1.295,-1.59) 6(-1.245,-1.59)
  silkscreen extent -3.19,-2.61 3.16,2.61, body extent -1.88,-1.96 1.93,1.85, height 3.81
TC4-1/RFXF8553 [mm]
  rect 1.65x1 smd: 1(-2.4,-3.3) 2(0,-3.3) 3(2.4,-3.3) 4(2.4,3.3) 5(-2.4,3.3) 6(0,3.3)
  rect 0.76x1.65 smd: 1(-1.27,-1.59) 2(0,-1.59) 3(1.27,-1.59) 4(1.27,1.59) 5(-1.27,1.59)
  silkscreen extent -3.13,-2.61 3.21,2.61, body extent -1.91,-1.85 1.91,1.96, height 3.81
TCXO [mm]
  round 2 hole 0.8: 1(0,-7.62) 2(7.62,-7.62) 2(15.24,-7.62) 3(7.62,0) 3(15.24,0) 4(0,0)
  round 0.5 on Top Overlay: 1(3.025,-6)
  rect 1.8x1.2 smd: 1(3.625,-5) 2(7.625,-5) 3(7.625,-2.6) 4(3.625,-2.6)
  round 0.5 on Mech1: ""(3.625,-4.9)
  silkscreen extent -2.78,-10.4 18.02,2.78

## Part data
A0 A1 R1 R2 R3 R4 R5 R6 R7 R8 R9 R10 R11 R12 R13 R14 R15 R16 R17 R18 R19 R20 R21 R22 R23 R24 R25 R26 R27 R28 R30 R31 R32 R33 R34 R35 R36 R37 R38 R39 R40 R41 R42 R43 R44 R45 R46 R47 R48 R49 R50 R52 R53 R54 R55 R56 R57 R58 R59 R60 R61 R62 R63 R64 R65 R66 R67 R68 R69 R70 R71 R72 R73 R74 R75 R76 R77 R78 R79 R80 R82 R83 R84 R85 R86 R87 R88 R89 R90 R91 R92 R94 R95 R96 R97 R98 R99: library part Resistor
C1 C2 C3 C4 C5 C6 C7 C8 C9 C10 C11 C12 C13 C14 C15 C16 C17 C18 C19 C20 C21 C22 C23 C24 C25 C26 C27 C28 C29 C30 C31 C32 C33 C34 C35 C36 C37 C38 C39 C40 C41 C42 C43 C44 C45 C46 C47 C48 C49 C50 C51 C52 C53 C54 C55 C56 C57 C58 C59 C60 C61 C62 C63 C64 C65 C66 C67 C68 C69 C70 C71 C72 C73 C74 C75 C76 C77 C78 C79 C80 C81 C82 C83 C84 C85 C86 C87 C88 C89 C90 C91 C92 C93 C94 C95 C96 C97 C98 C99 C100 C101 C102 C103 C104 C105 C106 C107 C108 C109 C110 C111 C112 C113 C114 C115 C116 C117 C118 C119 C120 C121 C122 C123 C124 C125 C126 C127 C128 C129 C130 C131 C132 C133 C134 C135 C136 C137 C138 C139 C140 C141 C142 C143 C144 C145 C146 C147 C148: library part Capacitor
DA1 DA2 DA3: library part AMS117
FB1 FB2 FB3 FB4 FB5 FB6: library part FB-1
K1: library part IM06-V1
L1 L2 L3 L4 L12 L13 L14 L15 L16 L17 L18 L19 L20 L21 L22 L23: library part TRANS
L5 L6 L7 L8 L24 L25: library part "Inductor ring"
L9 L10 L11: library part TRANS-1
R51 R81 R93: library part "ADJ resistor"
T5 T6 T7: library part VHF_KSV1
U3 U11: library part LP3878
U5: library part PE4302
U6: library part PCF8575
U8: library part ULN2003_NEW
U12 U13 U17 U20: library part TAU692
U19 U22: library part RA80H1415M1
VD1 VD2 VD3 VD4 VD5 VD6 VD7 VD8 VD9 VD10 VD11 VD12 VD13 VD14 VD15 VD16 VD17: library part LED
VD18 VD19 VD20 VD21 VD22 VD23 VD24 VD25 VD26: library part Diod
VT1 VT2 VT3: library part P-KANAL
X1 X2 X5 X6 X7 X8 X11 X12 X15 X16 X19 X20: library part SMA, "RF"
X3: library part 3-Connector
X4 X21: library part 2-Connector
X9 X13 X17: library part 1-Connector
X10 X14 X18: "RF"
XG1: library part Generator
Z1: library part SXBP_PAW

## Free pads (board coordinates)
  round 5 hole 3: 2(3,3) 2(3,127) 2(70.577,76.825) 2(76.419,3) 2(76.419,127) 2(93.275,54.6) 2(172.25,3) 2(172.25,127)

## Via types
v1: diameter 0.6, hole 0.5, Top Layer to Bottom Layer, tented both sides, 413 vias
v2: diameter 0.6, hole 0.3, Top Layer to Bottom Layer, 380 vias
v3: diameter 1, hole 0.6, Top Layer to Bottom Layer, tented both sides, 135 vias
v4: diameter 0.7, hole 0.4, Top Layer to Bottom Layer, tented both sides, 63 vias
v5: diameter 1.2, hole 0.7, Top Layer to Bottom Layer, tented both sides, 51 vias
v6: diameter 1.27, hole 0.711, Top Layer to Bottom Layer, 12 vias
v7: diameter 0.8, hole 0.5, Top Layer to Bottom Layer, tented both sides, 2 vias
v8: diameter 0.6, hole 0.3, Top Layer to Bottom Layer, tented both sides, 1 vias
v9: diameter 0.8, hole 0.4, Top Layer to Bottom Layer, tented both sides, 1 vias
v10: diameter 1.2, hole 0.6, Top Layer to Bottom Layer, tented both sides, 1 vias
v11: diameter 1.3, hole 0.8, Top Layer to Bottom Layer, tented both sides, 1 vias